# KiCad board Coral Dev Board Micro-PcbDoc.kicad_pcb (continued)
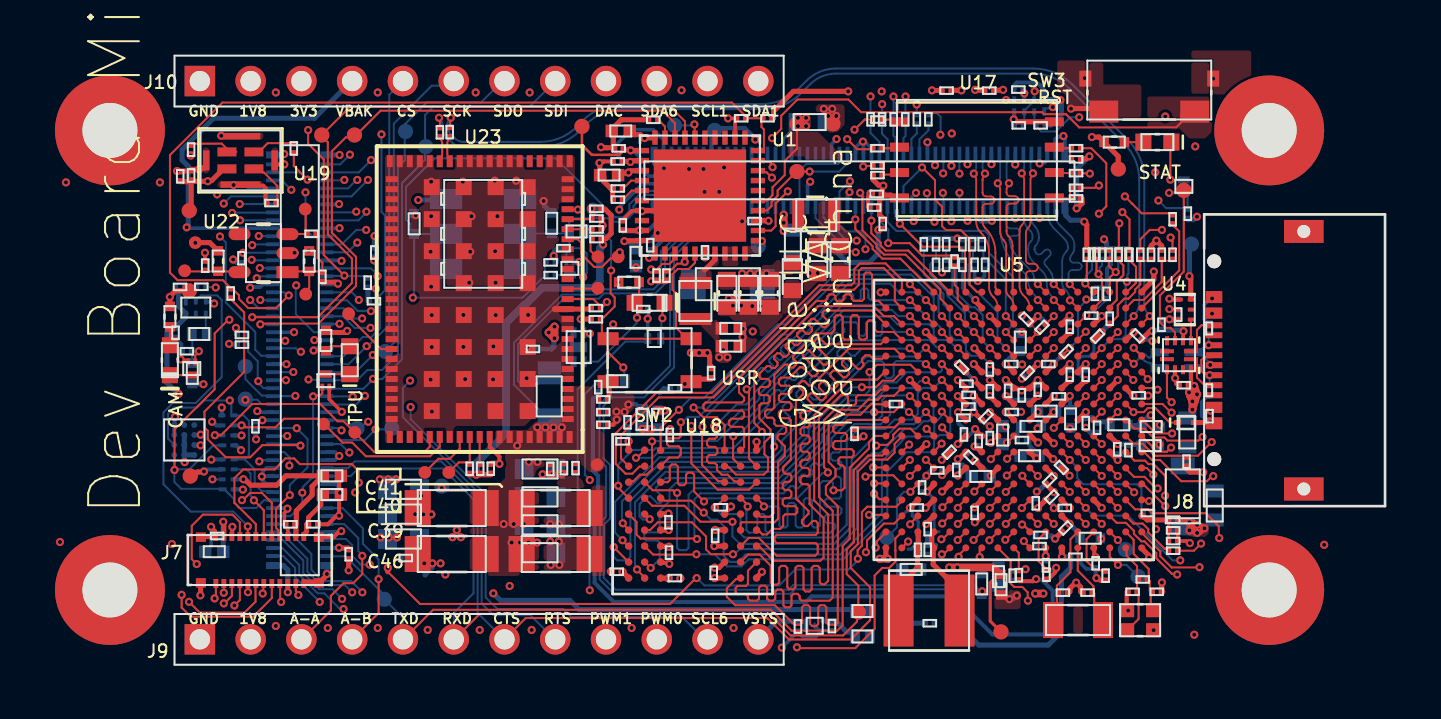
[diagram p0: board, top side]
## Routing (per net, layer and track width the routed paths; a pad name or vN(x,y) marks a point on that pad's centre or on a via; arc(x,y) is an arc through that point) (continued)
BT_REG_ON: length 67.4
  Top w0.102: U5.G17 49.63,13.85 49.64,13.84
  In2.Cu w0.102: v1(3.51,22.61) 3.55,22.65 3.99,22.65 4.26,22.92 4.26,26.18 5.4,27.32 12.09,27.32 12.62,26.79 18.49,26.79 19.03,27.33 26.43,27.33 26.5,27.4 27.25,27.4 27.76,26.89 28.77,26.89 29.22,27.33 30.63,27.33 31.92,28.62 33.6,28.62 34.31,27.91 35.03,27.91 36.11,26.82 36.11,26.23 38.12,24.22 40.36,24.22 40.84,23.74 43.58,23.74 44.78,24.94 47.65,24.94 48.89,23.69 48.89,21.3 50.19,20 50.19,19.13 50,18.95 50,17.18 50.12,17.06 50.12,15.42 49.88,15.18 49.88,13.98 49.87,13.96 49.87,13.82 v1(49.81,13.76)
  Bottom w0.102: J5.87 5.53,22.62 3.53,22.62 v1(3.51,22.61)
BUCK3_SW: length 1
  Top w0.254: 27.16,19.75 27.66,20.26 27.66,20.57 U1.17
CAMERA_INT: length 52.8
  Top w0.102: v1(42.22,7.85) U5.P9 ; 6.42,8.51 v1(6.4,8.49) 5.71,7.8 5.71,6.85 5.83,6.73 5.83,6.48 J7.9
  In2.Cu w0.102: v1(6.74,11.84) 6.76,11.82 7.24,11.82 8,11.07 15.44,11.07 15.99,10.52 17.83,10.52 18.05,10.74 20.71,10.74 22.25,9.2 22.25,8.72 22.59,8.37 24.89,8.37 25.52,9.01 28.9,9.01 29.7,8.21 29.7,7.73 29.97,7.46 30.36,7.46 34.19,3.62 38.2,3.62 38.51,3.32 41.19,3.32 41.4,3.53 41.4,4.34 42.76,5.69 42.76,6.79 42.59,6.96 42.59,7.48 v1(42.22,7.85)
  Bottom w0.102: v1(6.4,8.49) 6.4,8.99 7.29,9.88 7.29,11.3 v1(6.74,11.84) 6.74,11.84 5.55,11.84 J5.33
CAMERA_TRIG: length 49.8
  Top w0.102: U5.T2 36.69,6.32 36.69,5.71 36.7,5.71 36.7,5.15 36.39,4.84 36.04,4.84 35.66,4.46 35.66,1.8 34.69,0.83 31.81,0.83 v1(31.77,0.87) ; v1(1.74,5.04) 1.49,5.29 1.49,6.95 2.05,7.51 3.53,7.51 3.9,7.14 J7.4
  In5.Cu w0.102: v1(31.77,0.87) 31.77,0.92 29.95,2.74 11.76,2.74 10.52,3.98 8.99,3.98 8.48,3.47 8.48,3.02 7.81,2.35 2.79,2.35 2.28,2.86 2.28,4.5 v1(1.74,5.04)
CON_DET: length 8.5
  Top w0.102: U20.5 50.69,16.64 50.47,16.86 50.21,16.86 49.93,17.14 49.93,18.48 51.13,19.67 TP39.1
CRYPTO_RST_N: length 49.9
  Top w0.102: U5.U8 42.46,5.21 42.46,4.07 42.64,3.89 43.05,3.89 43.32,3.62 43.32,3.22 v1(43.33,3.21)
  In2.Cu w0.102: v1(43.33,3.21) 42.63,2.51 38.17,2.51 37.86,2.81 33.22,2.81 30.04,5.99 28.22,5.99 27.35,5.12 26.21,5.12 25.85,5.48 22.03,5.48 20.04,7.46 15.82,7.46 15.19,8.1 8.79,8.1 6.33,10.56 4.49,10.56 4.26,10.33 2.92,10.33 2.29,10.96 1.96,10.96 v1(1.94,10.98)
  Bottom w0.102: U6.C3 1.63,10.99 ; 1.93,10.99 v1(1.94,10.98)
  Bottom w0.254: 1.63,10.99 1.93,10.99
CSI_DATA02: length 68.5
  Top w0.102: v1(0.99,3.5) 0.99,2.86 1.44,2.41 4.57,2.41 5.5,3.34 J7.17 ; U5.J12 45.02,12.25 v1(44.62,11.85)
  In5.Cu w0.102: v1(0.99,3.5) 0.99,7 7.01,13.02 11.68,13.02 12.11,13.45 22.81,13.45 23.01,13.66 27.72,13.66 28.4,12.97 30.91,12.97 33.98,9.9 33.98,7.21 34.95,6.24 35.88,6.24 36.99,5.14 39.13,5.14 39.46,5.46 39.46,7.2 39.75,7.49 42.37,7.49 42.66,7.78 42.66,11.71 43.2,12.26 44.22,12.26 v1(44.62,11.85)
CSI_DATA03: length 59.6
  Top w0.102: v1(5.04,3.57) 5.07,3.6 5.07,4.04 J7.18 ; U5.K12 v1(45.42,11.05)
  In5.Cu w0.102: v1(45.42,11.05) 45.42,10.75 44.99,10.32 44.99,6.81 44.84,6.66 44.51,6.66 43.33,5.48 41.89,5.48 40.52,4.11 34.68,4.11 32.47,6.31 32.47,9.94 30.37,12.03 28.44,12.03 27.18,10.77 22.01,10.77 21.41,11.37 13.41,11.37 12.09,10.05 7.41,10.05 4.64,7.28 4.12,7.28 3.91,7.06 3.91,4.7 v1(5.04,3.57)
CSI_DATA04: length 71.2
  Top w0.102: v1(1.36,3.15) 1.9,2.61 4.14,2.61 4.68,3.16 4.68,4.05 J7.19 ; U5.K14 v1(47.02,11.05)
  In5.Cu w0.102: v1(1.36,3.15) 1.34,3.16 1.34,7.05 4.09,9.8 5.23,9.8 6.8,11.37 11.6,11.37 13.41,13.18 22.88,13.18 23.16,13.45 27.63,13.45 28.37,12.72 30.65,12.72 32.91,10.46 32.91,6.65 35.05,4.51 39.98,4.51 40.26,4.79 40.26,6.39 40.53,6.66 43.18,6.66 43.4,6.88 43.4,11.3 43.58,11.47 44.75,11.47 44.98,11.71 44.98,11.98 45.23,12.24 46.5,12.24 47.02,11.72 v1(47.02,11.05)
CSI_DATA05: length 64
  Top w0.102: 4.3,4.07 4.3,3.64 v1(4.31,3.63) ; U5.K13 v1(46.22,11.05)
  In5.Cu w0.102: v1(4.31,3.63) 4.27,3.63 2.05,5.84 2.05,7 2.77,7.71 4.62,7.71 7.95,11.04 12.59,11.04 14.09,12.54 21.13,12.54 21.84,11.83 23.19,11.83 24.61,13.25 27.47,13.25 28.26,12.46 30.43,12.46 32.67,10.22 32.67,6.51 34.87,4.31 40.41,4.31 41.88,5.78 43.22,5.78 44.24,6.8 44.24,10.44 44.49,10.69 44.8,10.69 44.98,10.86 44.98,11.17 45.21,11.4 45.87,11.4 v1(46.22,11.05)
CSI_DATA06: length 61.4
  Top w0.102: U5.L16 48.66,10.21 49.19,10.21 49.36,10.04 49.61,10.04 50.21,9.44 50.21,8.48 v1(50.19,8.46) ; v1(3.63,2.96) 3.9,3.24 J7.21
  In5.Cu w0.102: v1(3.63,2.96) 3.71,2.96 3.92,2.76 6.67,2.76 7.29,3.38 7.29,4.54 8.24,5.49 9.08,5.49 10.32,6.72 13.78,6.72 14.52,7.46 23.48,7.46 24.03,6.9 24.79,6.9 25.09,7.21 27.73,7.21 28.23,6.7 28.83,6.7 33.37,2.15 38.33,2.15 38.76,1.72 46.5,1.72 50.12,5.33 50.12,7.17 49.81,7.48 49.81,8.08 v1(50.19,8.46)
CSI_DATA07: length 62.9
  Top w0.102: v1(49.82,8.82) 49.74,8.82 49.16,9.4 48.64,9.4 48.22,9.82 U5.M16 ; J7.22 3.5,4.06 3.5,3.45 3.13,3.07 v1(3.1,3.07)
  In5.Cu w0.102: v1(49.82,8.82) 49.37,8.82 48.64,8.09 48.64,6.05 48.31,5.72 48.31,4.92 46.04,2.65 39.13,2.65 38.71,3.07 33.8,3.07 31.14,5.73 31.14,8.35 30.17,9.32 25.34,9.32 24.39,8.37 13.71,8.37 13.23,8.85 12.77,8.85 11.89,7.98 8.23,7.98 5.61,5.36 5.61,3.34 5.28,3.01 4.12,3.01 3.75,3.38 3.4,3.38 v1(3.1,3.07)
CSI_DATA08: length 59.9
  Top w0.102: U5.N15 v1(47.82,8.65) ; J7.23 3.1,4.06 3.1,3.6 v1(3.1,3.6)
  In5.Cu w0.102: v1(3.1,3.6) 3.12,3.58 3.83,3.58 4.2,3.21 5.19,3.21 5.41,3.43 5.41,5.67 7.99,8.25 11.8,8.25 13.03,9.48 14.11,9.48 15.02,8.58 24,8.58 25.06,9.64 30.2,9.64 31.34,8.5 31.34,5.91 33.98,3.27 38.79,3.27 39.21,2.85 45.86,2.85 47.44,4.44 47.44,5.28 48.21,6.04 48.21,8.26 v1(47.82,8.65)
CSI_DATA09: length 59.7
  Top w0.102: J7.24 2.7,3.47 2.64,3.4 v1(2.64,3.32) ; v1(50.2,7.94) 50.2,7.94 49.09,9.05 U5.N17
  In5.Cu w0.102: v1(50.2,7.94) 50.2,7.86 50.32,7.74 50.32,5.23 46.6,1.52 33.68,1.52 28.85,6.34 27.38,6.34 27,6.72 26.23,6.72 25.85,6.34 23.67,6.34 23.39,6.62 16.38,6.62 15.69,5.94 9.95,5.94 9.22,5.2 8.33,5.2 7.57,4.44 7.57,3.3 6.82,2.56 3.05,2.56 2.64,2.96 v1(2.64,3.32)
CSI_HSYNC: length 59.8
  Top w0.102: v1(9.85,9.11) 9.85,9.69 9.5,10.04 6.9,10.04 6.61,10.33 6.19,10.33 5.63,9.77 4.07,9.77 3.63,9.33 3.63,8.11 4.7,7.04 J7.6 ; U5.M14 v1(47.02,9.45)
  In5.Cu w0.102: v1(47.02,9.45) 47.02,9.15 47.38,8.8 47.38,5.51 46.63,4.77 45.77,4.77 44.92,3.92 42.5,3.92 41.69,3.12 39.23,3.12 38.88,3.47 34.16,3.47 31.54,6.09 31.54,8.6 30.23,9.91 25.03,9.91 24.48,9.36 22.39,9.36 21.88,8.85 15.14,8.85 14.19,9.79 13.06,9.79 11.88,8.62 10.35,8.62 v1(9.85,9.11)
CSI_MCLK: length 54.2
  Top w0.102: v1(6.83,3.49) 6.83,3.57 6.7,3.7 J7.14
  In5.Cu w0.102: v1(49.73,6.78) 49.73,6.28 48.95,5.5 48.95,4.65 46.33,2.02 38.89,2.02 38.46,2.46 33.55,2.46 30.53,5.48 30.53,8.1 30.02,8.6 26.82,8.6 26.3,8.07 25.21,8.07 24.9,7.76 14.39,7.76 13.65,7.03 10.19,7.03 9.43,6.27 8.38,6.27 6.83,4.72 v1(6.83,3.49)
  Bottom w0.102: v1(49.73,6.78) 49.73,6.87 49.63,6.97 49.63,7.59
CSI_MCLK_RT: length 6.3
  Top w0.102: U5.L12 v1(45.42,10.25)
  Bottom w0.102: v1(45.42,10.25) 45.79,9.88 45.79,9.34 46.1,9.04 48.78,9.04 49.01,8.81 49.01,7.61 49.03,7.59
CSI_PIXCLK: length 56.4
  Top w0.102: v1(5.97,3.14) 5.92,3.19 5.92,4.05 J7.16 ; U5.P17 49.05,8.22 49.36,8.22 v1(49.39,8.19)
  In5.Cu w0.102: v1(49.39,8.19) 48.94,7.74 48.94,5.92 48.65,5.63 48.65,4.83 46.15,2.33 39.02,2.33 38.58,2.76 33.68,2.76 30.83,5.61 30.83,8.22 30.04,9.01 25.46,9.01 24.52,8.07 12.54,8.07 12.02,7.55 10.01,7.55 9.53,7.07 8.39,7.07 5.92,4.59 5.92,3.19 v1(5.97,3.14)
CSI_VSYNC: length 72.3
  Top w0.102: v1(4.3,6.92) 4.3,6.92 J7.5 ; U5.N14 v1(47.02,8.65)
  In5.Cu w0.102: v1(47.02,8.65) 46.63,8.26 46.63,6.06 45,4.44 44.22,4.44 43.96,4.69 43.63,4.69 43.36,4.43 42.71,4.43 41.61,3.32 39.32,3.32 38.96,3.68 34.34,3.68 31.75,6.27 31.75,8.73 30.31,10.17 24.93,10.17 24.45,9.69 20.71,9.69 20.09,9.06 15.65,9.06 14.59,10.12 13.1,10.12 11.85,8.87 10.6,8.87 9.93,9.53 8.82,9.53 6.18,6.9 4.32,6.9 v1(4.3,6.92)
  Bottom w0.102: U3.2 1.7,18.22 1.96,18.48 2.76,18.48 2.99,18.26 2.99,14.39 1.7,13.1 0.55,13.1 0.08,12.62 0.08,9.03 1.44,7.66 3.58,7.66 4.3,6.94 v1(4.3,6.92)
DA_GPIO0_WDOG_KICK: length 51.2
  Top w0.102: v1(43.02,7.84) 43.02,7.85 U5.P10 ; v1(30.02,21.2) 29.99,21.23 U1.21
  In2.Cu w0.102: v1(30.02,21.2) 30.08,21.14 30.08,20.85 31.01,19.92 31.01,18.71 34.28,15.44 35.68,15.44 37.26,13.86 38.35,13.86 38.6,13.61 38.6,13.3 38.83,13.07 39.19,13.07 39.43,12.84 39.43,12.43 40.42,11.44 40.67,11.44 41.12,10.99 41.12,10.96 41.33,10.75 41.55,10.75 41.83,10.47 41.83,8.45 42.08,8.2 42.66,8.2 v1(43.02,7.84)
  In5.Cu w0.102: v1(6.17,16.21) 6.17,16.7 8.1,18.64 10.23,18.64 12.29,16.58 18.36,16.58 18.97,15.97 21.37,15.97 21.88,16.48 25.29,16.48 v1(30.02,21.2)
  Bottom w0.102: v1(30.02,21.2) 29.84,21.02 TP27.1 ; v1(6.17,16.21) 6.17,16.24 J5.55
DA_GPIO2: length 31.4
  Top w0.102: v1(30.52,24.38) 30.25,24.65 29.9,24.65 U1.28
  In5.Cu w0.102: v1(4.42,18.26) 4.42,18.26 4.8,17.87 5.11,17.87 8.71,21.48 10,21.48 10.4,21.07 17.06,21.07 17.93,21.94 21.47,21.94 21.87,22.34 28.49,22.34 v1(30.52,24.38)
  Bottom w0.102: v1(4.42,18.26) 4.42,18.26 4.84,17.84 J5.63
DA_GPIO3: length 30.6
  Top w0.102: v1(30.55,24.9) 30.49,24.96 30.49,25.07 30.4,25.16 30.12,25.16 30.11,25.18
  In5.Cu w0.102: v1(30.55,24.9) 29.86,24.9 28.27,23.31 22.55,23.31 21.58,22.34 17.47,22.34 17.06,21.94 10.99,21.94 10.71,22.22 7.64,22.22 5.99,20.57 5.99,19.32 v1(4.92,18.26)
  Bottom w0.102: v1(4.92,18.26) 4.93,18.25 5.54,18.25 J5.65
DA_GPIO4_SYS_EN: length 46.8
  Top w0.102: U1.30 30.04,25.73 30.12,25.81 30.12,26.79 30,26.91 30,27.35 29.28,27.35 29.28,27.37 28.52,28.14 3.03,28.14 0.4,25.51 0.4,19.63 0.78,19.25 3.05,19.25 3.42,18.88 3.47,18.88 3.86,18.49 3.86,18.31 4.31,17.85 5.71,17.85 6.28,18.42 6.28,18.48 v1(6.35,18.48)
  Bottom w0.102: J5.67 6.11,18.64 6.26,18.48 v1(6.35,18.48)
DA_IREF: length 1.1
  Top w0.102: 23.11,23.78 23.11,23.86 23.48,24.23 U1.4
DA_nIRQ: length 34.5
  Top w0.102: 26.17,26.51 26.17,27.19 25.43,27.93 9.42,27.93 TP6.1 8,26.45 8.3,26.14 8.3,21.54 9.51,20.33 9.51,19.11 7.79,17.39 v1(4.52,17.39)
  Bottom w0.102: v1(4.52,17.39) 4.55,17.43 5.53,17.43 J5.61
DA_nONKEY: length 19
  Top w0.102: 26.17,16.32 SW2.2 ; 26.17,16.32 26.17,16.42 25.73,16.86 25.73,18.59 25.55,18.76 25.55,19.54 25.81,19.8 26.36,19.8 26.67,20.11 26.67,20.71 ; 26.17,16.32 SW2.1 ; SW2.1 22.3,16.29 22.3,15.66 v1(23.08,14.88) ; SW2.1 22.29,16.32 22.01,16.59 22.01,17.32 22.09,17.39 22.11,17.39 22.65,17.93 22.65,18.38 22.45,18.59 22.45,19.7 v1(22.48,19.73)
  Bottom w0.102: v1(23.08,14.88) 23.14,14.83 23.14,14.21 D1.K ; 21.12,21.58 22.11,21.58 22.48,21.22 v1(22.48,19.73)
DA_nRESET: length 32.5
  Top w0.102: v1(4.92,17.04) 4.96,17.07 7.83,17.07 9.71,18.95 9.71,20.41 8.51,21.62 8.51,25.7 9.2,26.39 9.61,26.39 10.94,27.73 25.04,27.73 25.67,27.1 25.67,26.51
  Bottom w0.102: v1(4.92,17.04) 4.82,17.04 4.82,17.04 J5.59
DA_nRESETREQ: length 23.1
  Top w0.102: v1(27.17,20.39) 27.17,20.39 U1.16 27.17,20.71
  In5.Cu w0.102: v1(27.17,20.39) 27.17,18.81 25.04,16.68 22.06,16.68 21.8,16.95 20.38,16.95 17.83,19.5 10.84,19.5 v1(10.79,19.45)
  Bottom w0.102: 8.26,19.84 10.46,19.84 10.79,19.51 v1(10.79,19.45) ; 27.17,20.34 v1(27.17,20.39)
DA_VDDCORE: length 1
  Top w0.102: U1.39 25.17,26.93 24.94,27.16 24.93,27.16 24.85,27.24 24.85,27.27
DA_VREF: length 1.4
  Top w0.102: 23.08,23.28 23.08,23.31 23.51,23.73 U1.5 24.27,23.73 ; 23.1,23.27 23.08,23.26 23.08,23.23
DAC_OUT: length 77.9
  Top w0.102: U5.H16 48.61,12.66 v1(48.61,12.64) 49.12,12.64 49.33,12.85 49.7,12.85 50.43,12.12 D31.K
  In2.Cu w0.102: v1(6.47,23.77) 6.96,23.28 8.45,23.28 8.61,23.44 11.81,23.44 12.95,24.58 20.24,24.58 20.82,24 22.04,24 22.58,23.46 25.14,23.46 25.6,23 28.24,23 28.66,23.43 30.37,23.43 31.04,24.1 31.43,24.1 32.12,23.41 32.12,21.09 34.19,19.02 36.85,19.02 37.26,19.43 37.58,19.43 38.07,18.94 38.36,18.94 38.85,18.44 39.92,18.44 40.56,17.8 40.77,17.8 41.04,17.53 41.04,16.48 41.23,16.29 41.58,16.29 41.87,16.01 41.87,14.85 42.11,14.6 42.37,14.6 42.66,14.32 42.66,13.54 43.38,12.82 43.38,11.7 43.61,11.47 47.44,11.47 v1(48.61,12.64)
  In5.Cu w0.102: 22.22,29.24 22.19,29.21 21.19,29.21 20.09,28.11 7.79,28.11 6.5,26.82 6.5,23.79 v1(6.47,23.77)
  Bottom w0.102: J5.95 6,24.24 v1(6.47,23.77)
DCDC_1V8_OUT: length 95.4
  Top w0.102: 40.21,9.85 U5.M6 ; 39.56,28.73 39.57,28.75 ; v1(39.82,9.47) 39.83,9.47
  Top w0.254: 39.83,9.47 40.21,9.85 ; v1(34.34,28.69) 31.59,28.69 30.6,27.7 30.6,27.35 30.6,27.35 ; v1(42.08,28.77) 42.06,28.75 41.72,28.75 41.71,28.76 ; 49.49,20.82 49.49,20.82 49.49,20.97 v1(49.75,21.23) 50.02,20.96 50.02,20.82 50.03,20.82 ; 39.57,28.75 v1(40,28.75)
  In4.Cu w0.254: v1(12.82,23.26) 12.82,24.28 13.2,24.66 22.09,24.66 23.08,23.67 24.3,23.67 26.3,21.67 27.21,21.67 28.42,20.46 28.42,19.5 28.77,19.14 33.53,19.14 ; 33.64,20.73 34,20.37
  In4.Cu w0.381: v1(43.02,17.47) 43.03,17.47
  In5.Cu w0.254: v1(3.56,20.28) 3.58,20.28 3.62,20.32 3.62,20.84 5.28,22.5 8.94,22.5 9.27,22.83 9.58,23.14 12.71,23.14 v1(12.82,23.26)
  Bottom w0.102: J6.10 26.7,22.65 26.74,22.61 26.76,22.61 26.82,22.55 26.82,21.92 25.42,20.52 25.42,14.96 24.04,13.58 22.45,13.58 21.89,13.02 21.89,10.24 22.22,9.91 22.22,7.41 21.9,7.09 21.9,4.27 22.07,4.1 22.07,4.1 22.62,3.55 31.44,3.55 31.67,3.78 40.33,3.78 40.51,3.95 40.66,3.95 40.82,3.8 40.82,3.72 40.86,3.68 v1(41.04,3.68) ; R416.2 41.02,3.68 ; 47.88,20.82 47.88,20.82 ; v1(49.91,11.02) 49.89,11 FB2.1 ; 43.03,17.51 43.03,17.48 v1(43.02,17.47)
  Bottom w0.203: 47.54,20.82 47.47,20.74 47.47,20.01 47.29,19.83 47.29,18.88 47.27,18.86 47.27,18.86
  Bottom w0.254: 47.88,20.82 47.54,20.82 47.54,20.82 47.27,20.82 47.27,21.12 47.14,21.25 v1(47.14,21.29) ; 12.82,23.34 v1(12.82,23.26) 13.82,23.26 14.05,23.49 SW1.4 ; R24.2 3.98,20.12 3.76,20.12 3.62,20.27 3.59,20.27 ; 46.68,18.86 47.27,18.86 ; 41.02,21.34 40.05,21.34 39.81,21.34 v1(39.8,21.33) 39.79,21.34 39.34,21.34 39.34,21.34 39.24,21.34 39.14,21.34 39.13,21.33 38.76,21.33 38.75,21.34 38.12,21.34 ; 46.53,20.82 47.29,20.82 ; 47.88,20.82 48.36,20.82 ; 14.37,23.26 14.65,23.53
DCDC_1V8_OUT_SENSE: length 44.5
  Top w0.102: v1(41.46,9.45) 41.46,9.49 ; 40.7,10.17 v1(40.7,10.22)
  Top w0.254: 40.7,10.17 U5.M7 ; 41.46,9.49 U5.M8
  Bottom w0.102: 40.84,4.56 40.84,4.41 40.82,4.39 40.64,4.39 40.23,3.98 31.58,3.98 31.36,3.75 22.7,3.75 22.27,4.18 22.27,4.19 22.11,4.35 22.11,7 22.42,7.32 22.42,10 22.09,10.33 22.09,12.94 22.53,13.38 24.13,13.38 25.62,14.88 25.62,20.44 27.02,21.84 27.02,22.57 27.1,22.65 J6.12 ; v1(41.46,9.45) 41.46,9.46 41.42,9.5
  Bottom w0.203: v1(40.7,10.22) 40.71,10.22 40.79,10.13 40.8,10.13 41.24,9.69 41.24,9.61 C138.1
  Bottom w0.254: 41.46,9.46 41.46,9.5 41.42,9.5 41.24,9.68 41.24,9.69 40.7,10.22 ; 40.67,10.25 40.67,10.25
DCDC_PSWITCH: length 3.7
  Top w0.254: v1(37.42,7.85) U5.P3
  Bottom w0.15: 37.54,7.85 37.54,7.46 37.84,7.16 37.84,6.52 ; 37.54,7.85 37.4,7.7 37.28,7.7 37.15,7.57 ; 37.54,7.85 C286.1 ; 37.34,5.78 37.34,5.79 37.49,5.79 37.63,5.92 37.77,5.92 R396.2
  Bottom w0.254: 37.84,6.52 37.83,6.5 R396.2
DMIC_DATA0: length 54.7
  Top w0.102: v1(39.82,7.05) U5.R6
  In2.Cu w0.102: v1(39.82,7.05) 39.46,6.69 38.88,6.69 37.98,5.78 37.21,5.78 36.13,6.86 34.93,6.86 31.85,9.94 31.85,11.09 30.35,12.59 27.72,12.59 26.86,13.45 25.23,13.45 24.9,13.78 22.32,13.78 21.97,14.14 18.95,14.14 17.95,15.14 7.63,15.14 6.73,14.24 6.18,14.24 5.37,15.05 3.73,15.05 2.24,16.54 2.24,19.93 2.54,20.22 2.54,21.15 1.44,22.24 v1(1.44,25.48)
  Bottom w0.102: v1(6.21,14.24) 6.21,14.24 5.55,14.24 J5.45
DMIC_DATA0_ONBOARD: length 2.4
  Top w0.102: 1.46,26.08 2.99,26.08 3.22,25.85 3.22,25.84 3.4,25.67 3.73,25.67
DMIC_DATA1: length 43.7
  Top w0.102: U5.U6 40.22,5.84 39.91,5.53
  In2.Cu w0.102: v1(4.82,14.19) 4.82,14.14 5.94,13.02 10.44,13.02 10.74,13.33 13.84,13.33 14.37,12.79 20.75,12.79 23.34,10.2 23.34,10.2 23.56,9.97 24.58,9.97 24.83,10.23 29.78,10.23 32.8,7.21 32.8,6.74 34.6,4.95 38.94,4.95 39.39,5.39 39.85,5.39 v1(39.86,5.4)
  Bottom w0.102: 4.3,16.48 4.3,16.02 4.31,16.01 4.31,15.66 4.8,15.18 4.8,14.22 4.88,14.13 4.88,14.04 5.08,13.84 J5.43
DMIC_DATA2__JTAG_TCK: length 43.5
  Top w0.102: v1(39.82,6.24) U5.T6
  In2.Cu w0.102: v1(39.82,6.24) 39.5,5.92 38.89,5.92 38.35,5.38 36.85,5.38 35.78,6.44 34.77,6.44 31.31,9.9 31.31,10.95 30.23,12.03 28.55,12.03 27.76,11.24 25.37,11.24 24.99,11.63 24.99,11.87 23.49,13.38 21.54,13.38 21.31,13.61 14.91,13.61 13.84,14.67 8.28,14.67 7.06,13.45 v1(6.68,13.45)
  Bottom w0.102: TP21.1 4.17,14.29 5,13.47 5.52,13.47 J5.41 6.74,13.44 6.71,13.47 6.69,13.44 6.68,13.45 v1(6.68,13.45)
DMIC_DATA3__JTAG_TMS: length 44.5
  Top w0.102: U5.U7 40.92,5.74 v1(40.92,5.39)
  In2.Cu w0.102: v1(40.92,5.39) 40.86,5.34 40.86,5.14 40.03,4.31 38.87,4.31 38.69,4.49 34.48,4.49 32.4,6.57 32.4,7.04 29.62,9.82 25,9.82 24.74,9.57 23.38,9.57 20.64,12.31 11.3,12.31 11.1,12.51 10.11,12.51 9.69,12.1 8.01,12.1 7.79,12.31 5.79,12.31 5.36,11.88 4.73,11.88 4.17,12.44 v1(4.17,13.25)
  Bottom w0.102: J5.39 5,13.04 4.77,13.26 4.33,13.26
ENET_RGMII_MDC: length 19.9
  Top w0.102: U5.U2 37.02,5.85 37.33,6.16 v1(37.33,6.16)
  In5.Cu w0.102: v1(37.33,6.16) 36.65,6.85 36.65,10.74 34.36,13.02 34.36,19.28 35.2,20.12 v1(35.2,20.8)
  Bottom w0.102: J6.44 33.5,22.38 34.2,21.68 34.93,21.68 35.2,21.41 v1(35.2,20.8)
ENET_RGMII_MDIO: length 22
  Top w0.102: U5.R3 37.44,7.06 v1(37.44,7.03)
  In5.Cu w0.102: v1(34.42,24.2) 34.38,24.2 33.95,23.77 33.95,22.16 34.53,21.58 34.92,21.58 35.58,20.92 35.58,20.03 34.64,19.09 34.64,13.09 37.03,10.7 37.03,7.43 v1(37.44,7.03)
  Bottom w0.102: v1(34.42,24.2) 34.41,24.2 33.9,23.69 J6.46
ENET_RGMII_RX_EN: length 13.9
  Top w0.102: U5.E13 v1(46.22,15.85)
  In5.Cu w0.127: v1(46.22,15.85) 45.82,16.25 45.82,16.81 45.55,17.07 45.25,17.07 45.02,17.31 45.02,18.41 44.77,18.65 44.46,18.65 44.22,18.89 44.22,19.2 41.79,21.63 41.18,21.63 41.07,21.53 41.07,21.15 40.96,21.04 40.75,21.04 40.64,21.15 40.64,21.53 40.53,21.63 40.18,21.63 39.89,21.92 39.89,23.61 v1(39.9,23.62)
  Bottom w0.102: J6.76 39.9,22.89 39.9,23.62 v1(39.9,23.62)
ENET_RGMII_RXC: length 14
  Top w0.102: v1(46.22,16.67) 46.22,16.66 45.82,16.26 U5.D13
  In5.Cu w0.127: v1(40.31,22.22) 40.36,22.27 40.51,22.27 40.83,22.59 40.83,23.94 40.95,24.07 41.21,24.07 41.33,23.94 41.33,22.9 41.46,22.78 42.03,22.78 42.29,22.52 42.29,22.09 43.07,21.3 43.07,20.8 44.12,19.75 44.52,19.75 45.02,19.26 45.02,18.9 45.03,18.89 45.03,18.88 45.26,18.65 45.57,18.65 45.84,18.38 45.84,17.29 46.17,16.96 46.17,16.7 46.22,16.65
  Bottom w0.102: v1(40.31,22.22) 40.3,22.22 40.3,22.88 J6.78
ENET_RGMII_RXD0: length 13.9
  Top w0.102: U5.D11 v1(44.62,16.65)
  In5.Cu w0.127: v1(44.62,16.65) 44.22,17.05 44.22,17.61 43.97,17.85 43.63,17.85 42.4,19.09 42.26,19.23 42.11,19.23 41.82,18.94 41.66,18.94 41.51,19.1 41.51,19.25 41.8,19.54 41.8,19.69 41.32,20.17 40.42,20.17 40.31,20.06 40.31,19.11 40.21,19 39.99,19 39.88,19.11 39.88,20.06 39.78,20.17 38.96,20.17 38.67,20.45 38.67,22.15 v1(38.65,22.17)
  Bottom w0.102: v1(38.65,22.17) 38.68,22.19 38.68,22.86 J6.70
ENET_RGMII_RXD1: length 13.9
  Top w0.102: U5.E11 v1(44.62,15.85)
  In5.Cu w0.127: v1(44.62,15.85) 44.23,16.24 43.69,16.24 43.42,16.51 43.42,16.82 43.18,17.05 42.87,17.05 42.63,17.29 42.63,17.61 42.38,17.85 39.74,17.85 38.01,19.59 38.01,23.31 38.27,23.58 v1(38.27,23.6)
  Bottom w0.102: J6.68 38.3,23.58 v1(38.27,23.6)
ENET_RGMII_RXD2: length 14
  Top w0.102: U5.E10 v1(43.82,15.85)
  In5.Cu w0.127: v1(43.82,15.85) 43.48,15.51 42.85,15.51 42.63,15.73 42.63,16.82 42.4,17.05 38.03,17.05 37.82,17.26 37.82,19.21 37.63,19.4 37.63,22.19 v1(37.61,22.2)
  Bottom w0.102: J6.66 37.9,22.43 37.67,22.2 v1(37.61,22.2) ; 43.79,15.85 v1(43.82,15.85)
ENET_RGMII_RXD3: length 13.9
  Top w0.102: U5.C11 v1(44.62,17.45)
  In5.Cu w0.127: v1(44.62,17.45) 44.57,17.5 44.57,17.74 44.23,18.08 44.23,18.4 43.97,18.65 43.38,18.65 42.83,19.2 42.83,19.36 43.2,19.72 43.2,19.87 43.04,20.02 42.89,20.02 42.42,19.55 42.27,19.55 42.11,19.7 42.11,19.86 42.52,20.26 42.52,20.42 42.37,20.57 42.22,20.57 41.92,20.27 41.76,20.27 41.49,20.55 39.31,20.55 39.06,20.79 39.06,23.6 v1(39.07,23.61)
  Bottom w0.102: v1(39.07,23.61) 39.1,23.59 J6.72
ENET_RGMII_TX_EN: length 1.5
  Bottom w0.102: 37.5,25.6 37.5,26.32 37.77,26.59 37.77,27
ENET_RGMII_TXC: length 1.6
  Bottom w0.102: 37.9,25.6 37.9,26.29 38.35,26.74 38.35,27
ENET_RGMII_TXD0: length 1.4
  Bottom w0.102: 37.1,25.6 37.1,26.35 37.21,26.46 37.21,27
ENET_RGMII_TXD1: length 1.4
  Bottom w0.102: 36.7,25.6 36.7,26.38 36.6,26.48 36.6,27
ENET_RGMII_TXD2: length 1.6
  Bottom w0.102: R16.1 36.03,26.57 36.31,26.29 36.31,25.6 36.3,25.6
ENET_RGMII_TXD3: length 1.6
  Bottom w0.102: 35.9,25.6 35.9,26.17 35.45,26.61 35.45,27
ETHPHY_RST_B: length 18.9
  Top w0.102: v1(35.38,7.5) 36.17,7.5 U5.R1
  In5.Cu w0.102: v1(35.38,7.5) 36.06,8.18 36.06,9.94 33.8,12.2 33.8,20.26 v1(34.76,21.22)
  Bottom w0.102: J6.42 33.1,22.39 34.33,21.16 34.46,21.16 34.47,21.16 34.71,21.16 v1(34.76,21.22)
Flash_CS: length 1.3
  Top w0.102: 45.44,23.34 44.68,23.34 U17.1 ; 45.44,23.36 45.44,23.87
Flash_D0: length 0.8
  Top w0.102: U17.5 36.79,27.28 36.1,27.28
Flash_D1: length 0.9
  Top w0.102: 44.5,24.61 45.4,24.61
Flash_D2: length 1.4
  Top w0.102: 44.52,25.85 45.4,25.85 ; 45.44,25.29 45.44,25.85
Flash_D3: length 1.3
  Top w0.102: 36.1,24.53 36.8,24.53 U17.7 ; 36.1,24.53 36.1,24.99 ; 36.1,24.53 36.1,24.5
Flash_SCK: length 0.8
  Top w0.102: U17.6 36.85,25.85 36.1,25.85
FLEXPWM1_PWM0_A: length 67.3
  Top w0.102: U5.N12 v1(45.42,8.65)
  In2.Cu w0.102: v1(10.03,3.62) 10.5,3.15 31.15,3.15 32.83,1.47 44.6,1.47 47.11,3.98 47.11,5.61 46.58,6.14 46.58,8 46.28,8.29 45.78,8.29 v1(45.42,8.65)
  In5.Cu w0.102: J9.10 23.49,2.54 11.11,2.54 v1(10.03,3.62)
  Bottom w0.102: J5.9 5.98,7.04 7.48,5.54 7.48,4.75 8.05,4.19 9.47,4.19 v1(10.03,3.62)
FLEXPWM1_PWM0_B: length 63.2
  Top w0.102: U5.R14 v1(47.02,7.05)
  In2.Cu w0.102: v1(47.02,7.05) 47.46,6.61 47.46,3.87 44.85,1.26 32.75,1.26 31.06,2.95 10.2,2.95 v1(9.52,3.62)
  In5.Cu w0.102: v1(9.52,3.62) 10.81,2.34 21.15,2.34 J9.9
  Bottom w0.102: J5.7 5.59,6.6 5.98,6.6 7.28,5.3 7.28,4.67 7.96,3.98 9.16,3.98 v1(9.52,3.62)
FLEXPWM1_PWM1_A: length 55.2
  Top w0.102: U5.R13 v1(46.22,7.05) ; v1(7.57,13.43) 7.62,13.48 7.92,13.48 8.03,13.58 Q3.1
  In2.Cu w0.102: v1(46.22,7.05) 46.24,7.03 46.24,3.76 44.19,1.72 32.86,1.72 31.21,3.37 18.69,3.37 16.56,5.5 10.54,5.5 9.75,6.29 9.1,6.29 9.06,6.33 8.82,6.33 7.02,8.13 v1(7.02,8.61)
  Bottom w0.102: v1(7.57,13.43) 7.57,9.41 7.05,8.89 7.05,8.63 v1(7.02,8.61) 7.02,8.02 6.44,7.43 5.55,7.43 J5.11
FLEXPWM1_PWM1_B: length 50.9
  Top w0.102: U5.P15 v1(47.82,7.85)
  In2.Cu w0.102: v1(9.01,3.29) 9.08,3.29 9.64,2.74 30.98,2.74 32.66,1.06 45.08,1.06 48.3,4.28 48.3,7.37 v1(47.82,7.85)
  Bottom w0.102: v1(9.01,3.29) 8.53,3.78 7.88,3.78 7.07,4.58 7.07,5.22 6.05,6.24 J5.5
FLEXPWM2_PWM1_A: length 54.5
  Top w0.102: U5.L14 v1(47.02,10.25)
  In2.Cu w0.102: v1(47.02,10.25) 47.39,9.88 47.39,8.5 47.61,8.29 48.02,8.29 48.67,7.63 48.67,4.07 45.46,0.86 32.58,0.86 30.89,2.54 9.35,2.54 9.1,2.79 v1(9.09,2.79)
  Bottom w0.102: J5.3 6.02,5.84 6.87,4.99 6.87,4.5 7.79,3.58 8.12,3.58 8.85,2.84 9.03,2.84 v1(9.09,2.79)
FLEXPWM2_PWM1_B: length 52.4
  Top w0.102: U5.N16 v1(48.64,8.63)
  In2.Cu w0.102: v1(7.9,3.14) 8.7,2.34 30.81,2.34 32.49,0.65 45.6,0.65 48.98,4.03 48.98,8.29 v1(48.64,8.63)
  Bottom w0.102: J5.1 6.07,5.44 6.67,4.84 6.67,4.37 v1(7.9,3.14)
FlexSPI_A_CLK: length 26.4
  Top w0.102: v1(34.29,26.3) 34.29,26.3 34.79,25.8 35.45,25.8 35.5,25.85 ; U5.G14 v1(47.02,14.25)
  In2.Cu w0.102: v1(34.29,26.3) 33.74,25.76 33.74,22.02 34.16,21.6 34.95,21.6 35.96,20.59 36.42,20.59 36.68,20.85 38.17,20.85 38.36,20.66 44.35,20.66 45.81,19.2 45.81,17.43 45.81,17.43 45.81,15.66 46.03,15.44 47.17,15.44 47.4,15.21 47.4,14.63 v1(47.02,14.25)
FlexSPI_A_D0: length 25.1
  Top w0.102: 35.5,27.28 35.16,27.28 v1(34.65,26.78) ; U5.F15 v1(47.82,15.05)
  In2.Cu w0.102: v1(34.65,26.78) 34.67,26.76 34.67,25.85 34.05,25.23 34.05,22.3 34.44,21.91 35.08,21.91 35.66,21.33 35.99,21.33 36.12,21.46 36.55,21.46 36.83,21.18 38.32,21.18 38.53,20.97 44.85,20.97 46.66,19.17 46.66,16.45 46.86,16.25 47.12,16.25 47.38,16 47.38,15.68 47.76,15.29 47.76,15.11 v1(47.82,15.05)
FlexSPI_A_D1: length 15.9
  Top w0.102: v1(46.43,24.58) 46.41,24.59 46.05,24.59 46.04,24.61 ; U5.H15 v1(47.82,13.45)
  In2.Cu w0.102: v1(46.43,24.58) 47.62,24.58 48.64,23.56 48.64,21.27 49.98,19.92 49.98,19.22 49.79,19.03 49.79,17.09 49.92,16.97 49.92,15.56 49.68,15.33 49.68,14.14 49.4,13.86 48.24,13.86 v1(47.82,13.45)
FlexSPI_A_D2: length 16.1
  Top w0.102: U5.H14 v1(47.02,13.45) ; 46,25.85 46.5,25.85 47.25,25.1 47.25,22.94 v1(46.88,22.57)
  In2.Cu w0.102: v1(46.88,22.57) 46.88,22.08 48.84,20.12 48.84,18.94 47.82,17.92 47.82,17.15 48.23,16.74 48.23,14.15 47.91,13.84 47.41,13.84 v1(47.02,13.45)
FlexSPI_A_D3: length 25.2
  Top w0.102: U5.F16 48.22,14.64 48.6,14.26 v1(48.6,14.25) ; 35.5,24.99 35.47,24.96 35.12,24.96 v1(35.09,24.93)
  In2.Cu w0.102: v1(35.09,24.93) 36.6,24.93 37.28,24.25 37.28,23.56 37.62,23.22 43.89,23.22 44.5,23.83 46.18,23.83 47.34,22.67 47.34,21.91 49.04,20.2 49.04,18.85 48.23,18.04 48.23,17.26 48.41,17.09 48.69,17.09 48.98,16.79 48.98,14.63 v1(48.6,14.25)
FlexSPI_A_SS0: length 12.4
  Top w0.102: v1(46.88,23.99) 46.8,23.99 46.68,23.87 46.04,23.87 ; v1(49.32,14.29) 49.32,14.32 49.02,14.62 U5.F17